# KiCad board Dumpling_Main.kicad_pcb (continued)
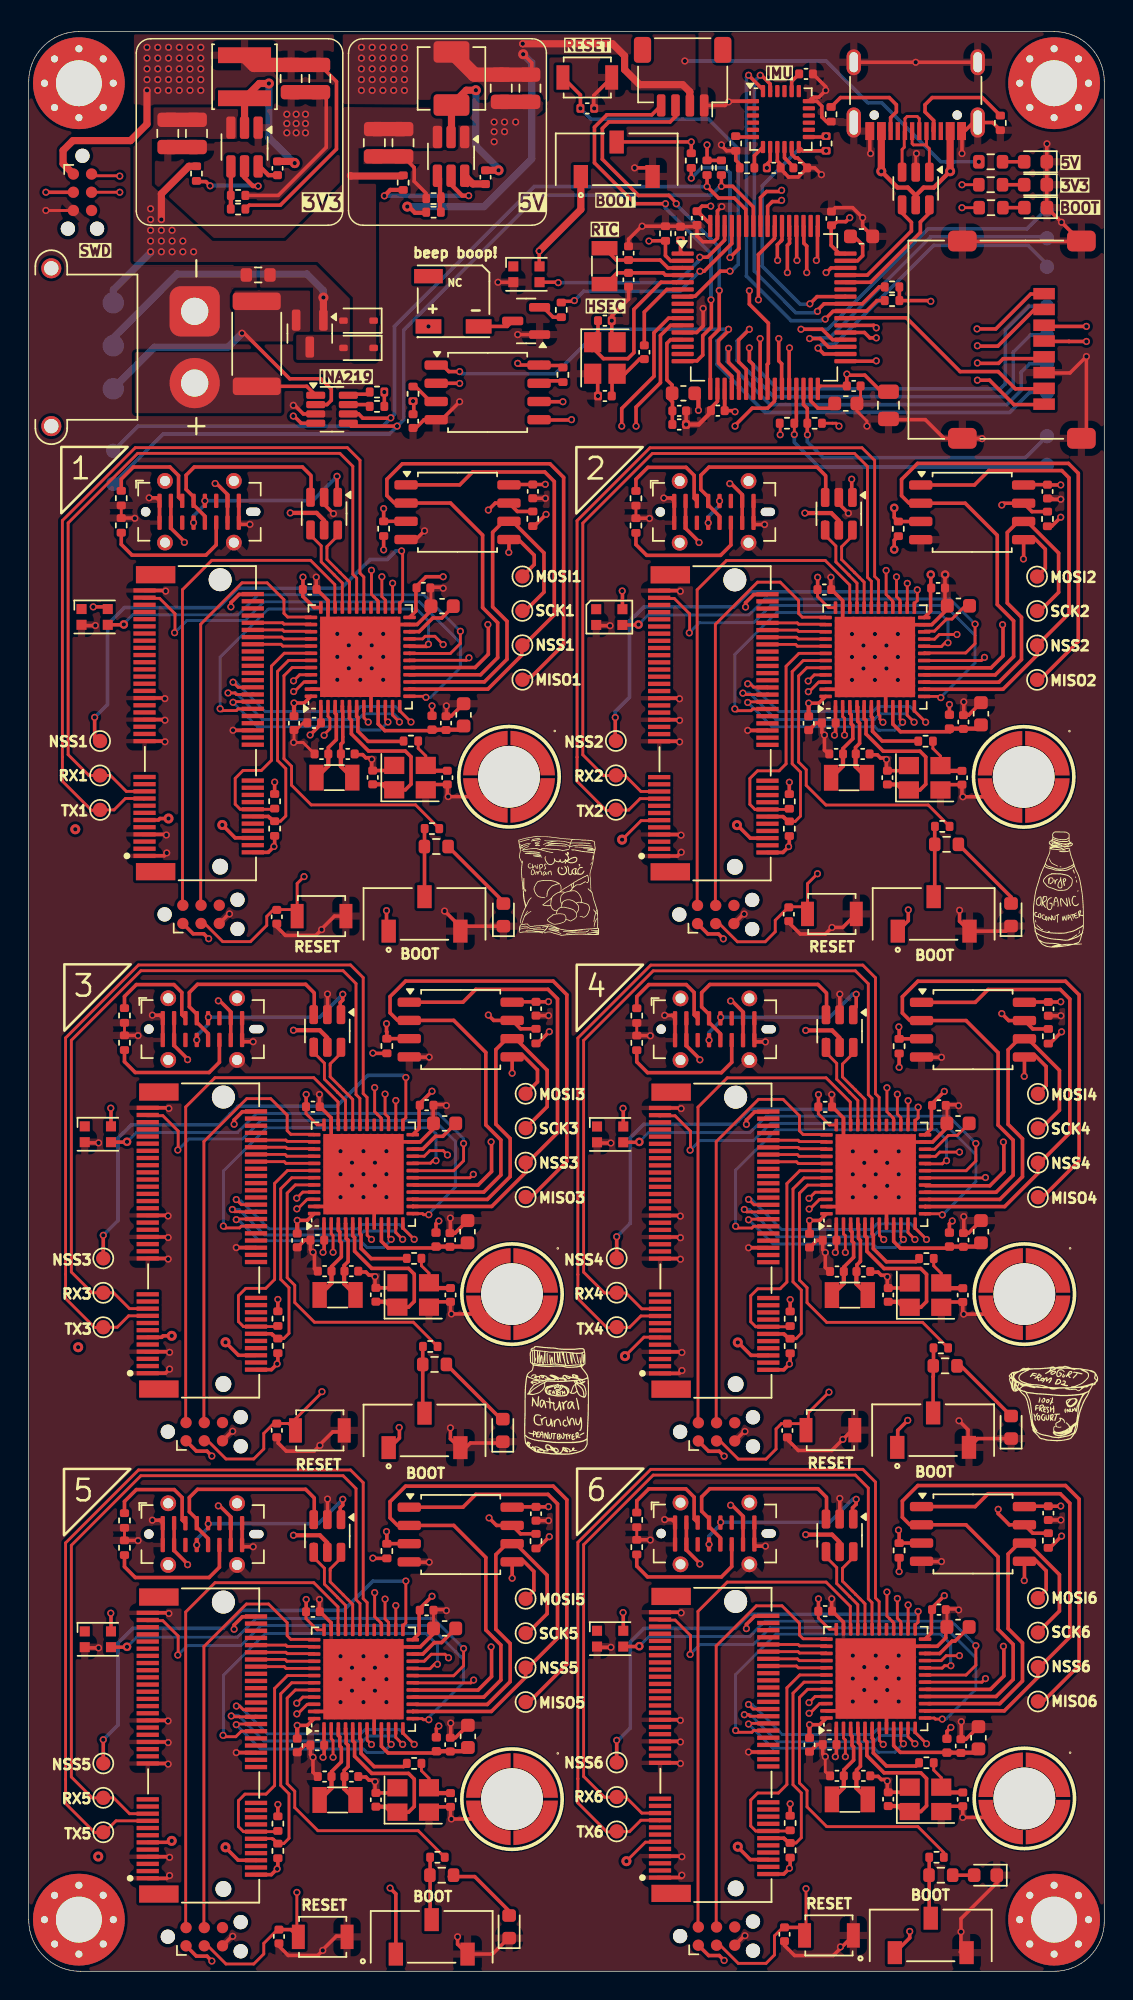
[diagram p0: board, top side]
## Routing (per net, layer and track width the routed paths; a pad name or vN(x,y) marks a point on that pad's centre or on a via; arc(x,y) is an arc through that point) (continued)
co4_SPI1_MISO: length 51.9
  Top w0.25: 62.81,66.27 65.36,66.27 67.59,64.03 67.59,58.98 68.64,57.93 68.64,55.49 67.45,54.3 U16.16 ; TP26.1 70.71,53.96 73.24,56.49 73.24,68.06 72.29,69.01 62,69.01 60.92,67.93 60.92,66.79 61.44,66.27
co4_SPI1_MOSI: length 17.7
  Top w0.25: U12.5 69.43,62.39 v1(69.42,62.38) ; v1(67.96,57.8) 67.99,57.77 67.99,55.73 67.01,54.75 62.55,54.75 ; 70.18,63.83 70.94,63.06 70.94,61.73 TP23.1
  In3.Cu w0.25: v1(69.42,62.38) 69.42,59.26 v1(67.96,57.8)
co4_SPI1_NSS: length 32.9
  Top w0.2: U16.14 62.53,53.33
  Top w0.25: U16.14 62.5,53.3 62.52,53.3 62.52,53.3 68.05,53.3 70.38,55.62 70.38,56.22 72.59,58.44 72.59,67.77 71.93,68.43 66.89,68.43 66,67.54 U12.1
co4_SPI1_SCK: length 26.1
  Top w0.25: TP27.1 70.61,58.76 71.87,60.02 71.87,62.8 69.67,65 U12.6 69.06,65 68.29,64.23 68.29,59.03 69.29,58.03 69.29,55.38 67.71,53.8 62.75,53.8
co4_SPI3_MISO: length 4.1
  Top w0.2: U16.40 53.72,56.8 53.6,56.93 J16.62
co4_SPI3_MOSI: length 4.1
  Top w0.2: U16.41 53.66,56.3 53.54,56.43 J16.60
co4_SPI3_NSS: length 4.1
  Top w0.2: J16.66 53.65,57.93 53.74,57.83 55.59,57.83 U16.38
co4_SPI3_SCK: length 4.1
  Top w0.2: J16.64 53.65,57.43 53.74,57.33 55.59,57.33 U16.39
co4_SWCLK: length 30.2
  Top w0.2: 47.94,38.19 47.94,57.83 50.89,60.77 52.6,60.77 53.74,59.63 53.74,58.58 54,58.33 55.6,58.33 U16.37
co4_SWDIO: length 35.8
  Top w0.2: U16.34 57.29,59.01 57.29,60.59 55.6,62.28 48.71,62.28 46.67,60.23 46.67,38.19
co4_USART_RX: length 54.7
  Top w0.2: J16.19 42.75,46.18 41.64,47.28 40.14,47.28 38.69,48.73 38.69,64.88 43.54,69.73 57.64,69.73 58.54,68.83 58.54,61.1 58.8,60.84 58.8,59 U16.31
co4_USART_TX: length 58.7
  Top w0.2: 40.54,44.88 41.89,44.88 42.69,45.68 J16.17 43.97,45.63 ; U16.30 59.3,59 59.3,60.91 59.04,61.17 59.04,69.25 58.16,70.13 43.38,70.13 38.29,65.05 38.29,48.57 38.29,48.56 38.29,46.88 40.32,44.86 40.52,44.86
co4_USB_D+: length 6.9
  Top w0.2: U16.33 57.81,60.7 57.25,61.26 57.25,61.26 56.34,62.17 56.34,63.28 55.59,64.03 55.59,64.98
co4_USB_D+_ESD: length 14.2
  Top w0.25: 55.58,68.23 55.03,68.78 47.49,68.78 46.92,68.21 46.92,67.22 47.44,66.7 J14.A6 47.44,66.14 48.23,65.35 J14.B6 ; 55.63,68.18 55.63,66.93
co4_USB_D-: length 6
  Top w0.2: U16.32 58.31,60.76 57.65,61.42 57.65,61.43 56.74,62.34 56.74,63.24 57.52,64.01
co4_USB_D-_ESD: length 13.4
  Top w0.25: v1(48.25,66.5) 48.25,66.44 J14.A7 ; v1(57.7,68.1) 57.7,67.24 57.44,66.98 ; 47.45,64.89 v1(47.44,64.9)
  Bottom w0.25: v1(57.7,68.1) 57.44,68.1 55.84,66.5 v1(48.25,66.5) 48.25,66.25 47.44,65.44 v1(47.44,64.9)
co4_VDDA: length 7.9
  Top w0.25: 64.38,50.41 60.78,50.41 60.31,50.87 U16.9 ; 64.13,50.45 FB5.2 ; 66.4,50.52 66.4,50.53
  Top w0.3: 66.4,50.78 66.14,50.51 FB5.2
  Top w0.5: 65.19,50.51 65.2,50.52
co5_BOOT0: length 21.9
  Top w0.2: U19.44 18.59,19.61 18.02,19.04 18.02,13.08 18.55,12.55 18.55,11.41 20.17,9.8 27.16,9.8 R63.1
co5_FLASH_HOLD: length 28.2
  Top w0.2: v1(18.69,18.69) 19.11,19.11 U19.45
  Top w0.25: v1(32.1,31.6) 32.62,31.08 U15.7 34.3,30.49 R68.2
  In4.Cu w0.25: v1(18.69,18.69) 18.69,26.07 24.22,31.6 v1(32.1,31.6)
co5_FLASH_WP: length 23
  Top w0.2: U19.2 21.09,16.21 21.22,16.08 v1(21.22,14.92)
  Top w0.25: R67.2 24.97,30.63 v1(24.95,30.65) ; U15.3 24.98,29.81
  In4.Cu w0.25: v1(21.22,14.92) 21.22,15.03 19.7,16.55 19.7,24.1 21.25,25.65 21.25,26.95 v1(24.95,30.65)
co5_gpio1: length 14.5
  Top w0.2: J19.44 14.52,17.24 v1(14.47,17.19) ; U19.10 25.09,16 v1(25.27,15.82)
  Bottom w0.2: v1(14.47,17.19) 16.17,15.5 23.35,15.5 23.6,15.25 23.66,15.25 23.67,15.26 24.72,15.26 v1(25.27,15.82)
  Bottom w0.25: 14.52,17.24 v1(14.47,17.19)
co5_gpio2: length 16.3
  Top w0.2: 15.8,17.79 J19.46 ; J19.46 15.9,17.79 ; J19.46 14.71,17.74 14.7,17.74 14.25,17.74 14.24,17.74 14.19,17.74 v1(14.12,17.8) ; v1(26.07,15.82) 25.59,16.3 U19.11
  Bottom w0.2: v1(14.12,17.8) 14.26,17.8 14.31,17.84 14.61,17.84 16.4,16.05 23.3,16.05 23.64,16.39 25.51,16.39 26.09,15.82
  Bottom w0.25: 26.09,15.82 v1(26.07,15.82)
co5_gpio3: length 16.7
  Top w0.2: U19.12 26.09,16.6 v1(26.88,15.82) ; v1(14.48,18.49) 14.71,18.49 14.96,18.24 J19.48
  Bottom w0.2: 26.89,15.82 25.86,16.84 23.44,16.84 23.15,16.55 16.65,16.55 14.71,18.49 v1(14.48,18.49)
  Bottom w0.25: 26.89,15.82 v1(26.88,15.82)
co5_gpio4: length 32.1
  Top w0.2: 8.21,24.44 8.21,24.46 ; v1(27.9,17.54) 27.51,17.54 27.44,17.61 U19.13 26.81,17.59 ; v1(10.4,22.04) 10.42,22.07 10.42,23.37 9.35,24.44 8.3,24.44 J19.73
  Bottom w0.2: v1(10.4,22.04) 11.06,22.7 14.8,22.7 16.2,24.1 27.95,24.1 29.77,22.28 29.77,22.27 30.1,21.95 30.1,21.95 30.32,21.73 30.32,20.12 27.9,17.7 v1(27.9,17.54)
co5_I2C1_SCL: length 17.6
  Top w0.2: U19.42 18.04,20.61 17.15,19.72 17.15,12.95 16.55,12.35 15.08,12.35 14.62,11.89 14.62,10.09 14.97,9.74 17.33,9.74 R70.2
co5_I2C1_SDA: length 15.7
  Top w0.2: J19.12 15.86,9.25 16.97,9.25 17,9.21 17.06,9.21 R69.2 17.78,8.9 18.15,9.27 18.15,12.37 17.57,12.95 17.57,19.34 18.34,20.11 U19.43
  Top w0.25: 17.28,8.9 R69.2
co5_NRST: length 184.5
  Top w0.2: J18.3 12.49,1.78 13.75,0.51 15.69,0.51 16.39,1.21 16.39,1.95 17.35,2.91 ; v1(18.7,5.5) 18.7,2 ; U19.7 23.6,16.91 23.6,16.11 v1(23.9,15.81)
  Top w0.25: C86.1 18.29,2.91 SW11.1 ; U1.56 51.53,123.02 51.85,123.35 52.33,123.35 52.41,123.44 v1(52.5,123.44)
  In1.Cu w0.25: v1(52.5,123.44) 52.46,123.44 50.63,121.6 45.22,121.6 30.88,107.25 26.05,107.25 25.93,107.12 25.45,107.12 25.32,107.25 10,107.25 2.55,99.8 2.55,31.25 17.99,15.81 v1(23.9,15.81)
  In3.Cu w0.2: v1(23.9,15.81) 18.7,10.61 v1(18.7,5.5)
co5_OSC_IN: length 11.7
  Top w0.25: HSE6.1 26.49,11.09 26.89,11.49 26.89,13.39 26.49,13.79 23.92,13.79 22.72,14.99 22.72,15.94 22.59,16.07 U19.5
  Top w0.3: C80.1 25.33,11.47 ; 24.9,11.47 25.29,11.09
co5_OSC_OUT: length 5.4
  Top w0.25: U19.6 23.09,16.21 23.18,16.13 23.18,15.18 24.09,14.27 26.14,14.27 R62.1
co5_pwr_cyc: length 26.4
  Top w0.2: U19.20 26.8,21.09 27.98,21.09 28.29,21.4 v1(28.5,21.4) ; J19.42 14.83,16.74 14.44,16.35 13.67,16.35
  Top w0.25: 13.67,16.35 13.55,16.47 v1(13.55,16.45)
  Bottom w0.2: v1(13.55,16.45) 13.57,16.47 13.57,20.62 16.5,23.55 27.7,23.55 28.5,22.75 v1(28.5,21.4)
co5_RGB_LED: length 31.5
  Top w0.2: v1(30.32,22.5) 30.32,21.29 29.63,20.6 26.85,20.6
  Top w0.25: v3(6.86,22.62) 6.83,22.59 5.54,22.59
  Bottom w0.2: v1(30.32,22.5) 28.22,24.6 15.86,24.6 14.55,23.29 7.53,23.29 v3(6.86,22.62)
co5_RTC_IN: length 5.7
  Top w0.25: U19.3 21.59,16.43 21.69,16.34 21.69,15.7 21.8,15.59 21.8,14.6 21.12,13.92 C81.1
  Top w0.3: 21.12,13.54 21.12,12.77 Y6.1
co5_RTC_OUT: length 5.5
  Top w0.25: 21.99,13.57 22,13.58 22,14 22.27,14.27 22.27,15.75 22.14,15.89 22.14,16.52 22.1,16.57 22.1,16.92 U19.4
  Top w0.3: 21.99,13.54 21.99,12.73 Y6.2
co5_SPI1_MISO: length 51.8
  Top w0.25: TP41.1 34.89,18.77 37.52,21.4 37.52,32.87 36.57,33.82 26.28,33.82 25.2,32.74 25.2,31.6 25.72,31.08 ; 27.09,31.08 29.64,31.08 31.87,28.84 31.87,23.79 32.92,22.74 32.92,20.3 31.73,19.11 U19.16
co5_SPI1_MOSI: length 17.6
  Top w0.25: 26.87,19.6 31.33,19.6 32.27,20.54 32.27,22.58 v1(32.24,22.61) ; 34.46,28.64 35.22,27.87 35.22,26.54 TP40.1 ; v1(33.71,27.4) U15.5
  In4.Cu w0.25: v1(33.71,27.4) 33.71,24.08 v1(32.24,22.61)
co5_SPI1_NSS: length 32.6
  Top w0.2: U19.14 26.81,18.14
  Top w0.25: TP43.1 34.65,20.5 32.26,18.11 26.8,18.11 26.78,18.11 U19.14 ; U15.1 30.28,32.35 31.17,33.24 36.21,33.24 36.87,32.58 36.87,23.21 34.94,21.28
co5_SPI1_SCK: length 26.2
  Top w0.25: 34.57,23.34 36.15,24.93 36.15,27.61 33.95,29.81 U15.6 33.34,29.81 32.57,29.04 32.57,23.84 33.57,22.84 33.57,20.19 31.98,18.6 27.02,18.6
co5_SPI3_MISO: length 4.1
  Top w0.2: U19.40 18,21.61 17.88,21.74 J19.62
co5_SPI3_MOSI: length 4.1
  Top w0.2: J19.60 17.82,21.24 17.94,21.11 U19.41
co5_SPI3_NSS: length 4.1
  Top w0.2: U19.38 19.87,22.64 18.02,22.64 17.93,22.74 J19.66
co5_SPI3_SCK: length 4.1
  Top w0.2: U19.39 19.87,22.14 18.02,22.14 17.93,22.24 J19.64
co5_SWCLK: length 30.1
  Top w0.2: U19.37 19.88,23.14 18.28,23.14 18.02,23.39 18.02,24.3 16.72,25.6 15.18,25.6 12.22,22.64 12.22,3
co5_SWDIO: length 35.8
  Top w0.2: 10.95,3 10.95,25.04 12.99,27.09 19.88,27.09 21.57,25.4 21.57,23.82 U19.34
co5_USART_RX: length 54.7
  Top w0.2: J19.19 7.03,10.99 5.92,12.09 4.42,12.09 2.97,13.54 2.97,29.69 7.82,34.54 21.92,34.54 22.82,33.64 22.82,25.91 23.1,25.64 23.1,23.81 U19.31
co5_USART_TX: length 58.7
  Top w0.2: 4.8,9.67 4.6,9.67 2.57,11.69 2.57,13.38 2.57,13.38 2.57,29.86 7.66,34.94 22.44,34.94 23.32,34.06 23.32,25.98 23.6,25.7 23.6,23.81 U19.30 ; 4.82,9.69 5.29,9.69 6.09,10.49 J19.17 8.25,10.44
co5_USB_D+: length 6.9
  Top w0.2: 19.87,29.79 19.87,28.84 20.62,28.09 20.62,26.98 21.53,26.07 21.53,26.07 22.09,25.51 U19.33
co5_USB_D+_ESD: length 14.2
  Top w0.25: J17.B6 12.51,30.16 11.72,30.95 J17.A6 11.72,31.51 11.2,32.03 11.2,33.02 11.77,33.59 19.31,33.59 19.86,33.04 ; 19.91,32.99 19.91,31.74
co5_USB_D-: length 6
  Top w0.2: U19.32 22.59,25.58 21.93,26.24 21.93,26.24 21.02,27.15 21.02,28.05 21.8,28.82
co5_USB_D-_ESD: length 13.1
  Top w0.25: J17.A7 12.51,31.2 v1(12.52,31.19) ; v1(21.9,32.9) 21.9,32.5 21.72,32.32 21.72,31.79 ; 11.73,29.7 v1(11.72,29.71)
  Bottom w0.25: v1(11.72,29.71) 11.72,30.12 12.52,30.92 v1(12.52,31.19) 12.53,31.2 20.2,31.2 v1(21.9,32.9)
co5_VDDA: length 7.9
  Top w0.25: U19.9 24.59,15.68 25.06,15.22 28.66,15.22 ; 30.62,15.34 30.62,15.35 ; 28.36,15.28 FB6.2
  Top w0.3: FB6.2 30.36,15.34 C89.1
  Top w0.5: 29.42,15.34 29.42,15.34
co6_BOOT0: length 21.1
  Top w0.2: U22.44 54.31,19.65 53.74,19.09 53.74,13.12 54.27,12.6 54.27,11.46 55.64,10.09 62,10.09 63.81,8.28 R72.1
co6_FLASH_HOLD: length 41.2
  Top w0.2: v1(54.41,18.73) 54.41,18.73 54.83,19.15 U22.45
  Top w0.25: v1(67.6,32.2) 67.6,31.9 68.38,31.12 U18.7 70.02,30.54 R77.2
  In4.Cu w0.25: v1(67.6,32.2) 67.8,32 67.8,25.35 68.54,24.61 68.54,18.09 64.35,13.9 55.37,13.9 53.5,15.77 53.5,17.88 54.35,18.73 v1(54.41,18.73)
co6_FLASH_WP: length 31.5
  Top w0.2: U22.2 56.81,16.25 56.94,16.12 v1(56.94,14.96)
  Top w0.25: R76.2 60.69,30.71 v1(60.65,30.75) ; U18.3 60.7,29.85
  In4.Cu w0.25: v1(60.65,30.75) 60.65,30.55 67.29,23.91 67.29,18.22 64.03,14.96 v1(56.94,14.96)
co6_gpio1: length 14.5
  Top w0.2: U22.10 60.81,16.04 v1(60.99,15.86) ; J22.44 50.24,17.28
  Top w0.25: 50.24,17.28 v1(50.19,17.24)
  Bottom w0.2: v1(60.99,15.86) 60.4,15.27 59.23,15.27 58.95,15.55 51.88,15.55 v1(50.19,17.24)
  Bottom w0.25: 50.24,17.29 v1(50.19,17.24)
co6_gpio2: length 16.3
  Top w0.2: 51.52,17.83 J22.46 ; J22.46 50.3,17.78 50.19,17.89 v1(49.9,17.89) ; J22.46 51.62,17.83 ; U22.11 61.31,16.34 v1(61.79,15.86)
  Bottom w0.2: v1(49.9,17.89) 50.32,17.89 52.21,16 58.95,16 59.39,16.44 61.23,16.44 61.81,15.86
  Bottom w0.25: 61.81,15.86 v1(61.79,15.86)
co6_gpio3: length 16.8
  Top w0.2: v1(50.19,18.6) 50.51,18.28 J22.48 ; U22.12 61.81,16.65 v1(62.6,15.86)
  Bottom w0.2: v1(50.19,18.6) 50.45,18.6 52.55,16.5 58.8,16.5 59.19,16.89 61.58,16.89 62.61,15.86
  Bottom w0.25: 62.61,15.86 v1(62.6,15.86)
co6_gpio4: length 32.2
  Top w0.2: v1(63.7,17.58) 63.22,17.58 63.15,17.65 U22.13 62.53,17.63 ; 43.93,24.48 43.93,24.5 ; v1(46.12,22.09) 46.14,22.11 46.14,23.41 45.07,24.48 44.02,24.48 J22.73
  Bottom w0.2: v1(46.12,22.09) 46.8,22.77 50.52,22.77 51.7,23.95 63.95,23.95 66.04,21.86 66.04,19.66 63.96,17.58 v1(63.7,17.58)
co6_I2C1_SCL: length 17.6
  Top w0.2: R79.2 53.05,9.78 50.69,9.78 50.34,10.13 50.34,11.94 50.83,12.42 52.28,12.42 52.87,13.02 52.87,19.76 53.76,20.65 U22.42
co6_I2C1_SDA: length 15.6
  Top w0.2: R78.2 53.5,8.95 53.87,9.31 53.87,12.43 53.29,13.01 53.29,19.39 54.06,20.15 U22.43
  Top w0.25: J22.12 52.66,9.28 52.75,9.19 52.76,9.19 53,8.95 R78.2
co6_NRST: length 152.4
  Top w0.2: U22.7 59.32,16.96 59.32,16.08 v1(59.58,15.82) ; 52.73,3.21 52,2.47 52,1.14 51.41,0.55 49.47,0.55 48.21,1.82 J21.3 ; v1(54.2,5.76) 54.2,3.15
  Top w0.25: v1(52.5,124.14) 52.41,124.05 51.45,124.05 51.03,123.63 U1.57 ; 52.8,3.06 53.92,3.06
  In1.Cu w0.25: v1(52.5,124.14) 53.76,124.14 64.1,113.8 64.1,102.7 69.2,97.6 69.2,89.15 73.55,84.8 73.55,35.48 66.62,28.55 66.62,21.65 62.07,17.1 60.83,17.1 59.62,15.89 59.62,15.85
  In3.Cu w0.2: v1(54.2,5.76) 54.2,10.44 v1(59.58,15.82) 59.62,15.85
co6_OSC_IN: length 11.7
  Top w0.25: HSE7.1 62.21,11.14 62.61,11.53 62.61,13.44 62.21,13.84 59.64,13.84 58.44,15.03 58.44,15.98 58.31,16.12 U22.5
  Top w0.3: C93.1 61.05,11.52 ; 60.62,11.52 61.01,11.14
co6_OSC_OUT: length 5.4
  Top w0.25: R71.1 61.86,14.31 59.81,14.31 58.9,15.22 58.9,16.17 58.81,16.25 U22.6
co6_pwr_cyc: length 26.2
  Top w0.2: v1(64.3,21.3) 63.86,21.3 63.7,21.14 62.52,21.14 U22.20 ; v1(49.29,16.79) 49.42,16.66 50.43,16.66 50.55,16.78 J22.42
  Bottom w0.2: v1(49.29,16.79) 49.29,20.69 52.1,23.5 63.6,23.5 64.29,22.81 64.29,21.29
  Bottom w0.25: v1(64.3,21.3) 64.29,21.29
co6_RGB_LED: length 31.3
  Top w0.2: 62.57,20.65 65.36,20.65 66.04,21.34 v1(66.04,22.7)
  Top w0.25: v3(42.58,22.66) 42.55,22.64 41.26,22.64
  Bottom w0.2: v3(42.58,22.66) 43.25,23.33 50.27,23.33 51.34,24.4 64.34,24.4 v1(66.04,22.7)
co6_RTC_IN: length 5.7
  Top w0.25: U22.3 57.31,16.48 57.41,16.38 57.41,15.74 57.52,15.63 57.52,14.72 56.84,14.04 C94.1
  Top w0.3: Y7.1 56.84,12.82 56.84,13.59
co6_RTC_OUT: length 5.5
  Top w0.25: C95.1 57.72,14.02 57.99,14.29 57.99,15.8 57.86,15.93 57.86,16.57 57.82,16.6 57.82,16.95 U22.4
  Top w0.3: Y7.2 57.71,12.78 57.71,13.59
co6_SPI1_MISO: length 51.9
  Top w0.25: 61.44,31.12 60.92,31.65 60.92,32.78 62,33.86 72.29,33.86 73.24,32.91 73.24,21.32 70.74,18.81 TP48.1 ; 62.81,31.12 65.36,31.12 67.59,28.89 67.59,23.84 68.64,22.79 68.64,20.35 67.45,19.15 U22.16
co6_SPI1_MOSI: length 17.6
  Top w0.25: v1(69.42,27.24) 69.43,27.25 U18.5 ; v1(67.96,22.65) 67.99,22.62 67.99,20.59 67.06,19.65 62.59,19.65 ; TP47.1 70.94,26.59 70.94,27.92 70.18,28.68
  In3.Cu w0.25: v1(69.42,27.24) 69.42,24.11 v1(67.96,22.65)
co6_SPI1_NSS: length 32.9
  Top w0.2: U22.14 62.53,18.18
  Top w0.25: U22.14 62.5,18.15 62.52,18.15 68.03,18.15 70.37,20.49 70.37,21.07 72.59,23.29 72.59,32.62 71.93,33.29 66.89,33.29 66,32.39 U18.1
co6_SPI1_SCK: length 26.2
  Top w0.25: 62.75,18.65 67.71,18.65 69.29,20.24 69.29,22.89 68.29,23.89 68.29,29.09 69.06,29.85 U18.6 69.67,29.85 71.87,27.65 71.87,25.11 70.14,23.39
co6_SPI3_MISO: length 4.1
  Top w0.2: J22.62 53.6,21.78 53.72,21.65 U22.40
co6_SPI3_MOSI: length 4.1
  Top w0.2: U22.41 53.66,21.15 53.54,21.28 J22.60
co6_SPI3_NSS: length 4.1
  Top w0.2: J22.66 53.65,22.78 53.74,22.69 55.59,22.69 U22.38
co6_SPI3_SCK: length 4.1
  Top w0.2: J22.64 53.65,22.28 53.74,22.19 55.59,22.19 U22.39
co6_SWCLK: length 29.9
  Top w0.2: U22.37 55.6,23.18 54,23.18 53.74,23.44 53.74,24.26 52.53,25.47 50.73,25.47 47.94,22.68 47.94,3.04
co6_SWDIO: length 35.8
  Top w0.2: 57.29,23.87 57.29,25.44 55.6,27.13 48.71,27.13 46.67,25.09 46.67,3.04
co6_USART_RX: length 54.7
  Top w0.2: U22.31 58.8,23.85 58.8,25.7 58.54,25.95 58.54,33.69 57.64,34.59 43.54,34.59 38.69,29.74 38.69,13.59 40.14,12.14 41.64,12.14 42.75,11.03 J22.19
co6_USART_TX: length 58.7
  Top w0.2: 43.97,10.48 J22.17 42.69,10.53 41.89,9.74 40.54,9.74 ; U22.30 59.3,23.85 59.3,25.76 59.04,26.02 59.04,34.1 58.16,34.99 43.38,34.99 38.29,29.9 38.29,13.42 38.29,13.42 38.29,11.74 40.32,9.71 40.52,9.71
co6_USB_D+: length 6.9
  Top w0.2: 55.59,29.84 55.59,28.88 56.34,28.14 56.34,27.03 57.25,26.11 57.25,26.11 57.81,25.55 U22.33
co6_USB_D+_ESD: length 14.2
  Top w0.25: 55.58,33.09 55.03,33.64 47.49,33.64 46.92,33.07 46.92,32.07 47.44,31.55 J20.A6 47.44,31 48.23,30.21 J20.B6 ; 55.63,33.04 55.63,31.78
co6_USB_D-: length 6
  Top w0.2: U22.32 58.31,25.62 57.65,26.28 57.65,26.28 56.74,27.19 56.74,28.09 57.52,28.86
co6_USB_D-_ESD: length 13.2
  Top w0.25: v1(48.25,31.3) 48.25,31.3 J20.A7 ; 57.44,31.83 57.44,32.3 57.7,32.56 v1(57.7,32.9) ; 47.45,29.75 v1(47.44,29.76)
  Bottom w0.25: v1(57.7,32.9) 57.44,32.9 55.84,31.3 v1(48.25,31.3) 48.25,31.15 47.44,30.34 v1(47.44,29.76)
co6_VDDA: length 7.9
  Top w0.25: 64.38,15.26 60.78,15.26 60.31,15.73 U22.9 ; 63.96,15.17 FB7.2 ; 66.22,15.25 66.22,15.25
  Top w0.3: C102.1 65.97,15.24 FB7.2
  Top w0.5: 65.02,15.24 65.03,15.25
FLASH_HOLD: length 1.7
  Top w0.25: 37.25,110.85 35.76,110.85 35.59,110.68
FLASH_WP: length 2
  Top w0.25: R33.2 26.97,110.46 28.01,109.41 U24.3
I2C1_SCL: length 62.9
  Top w0.25: 48.26,124.41 49.09,124.41 50.53,122.97 U1.58 ; v1(25.69,107.7) 22.49,107.7 U9.5 ; R23.2 48.3,124.45
  Bottom w0.25: v1(48.3,124.41) 48.21,124.41 47.6,123.8 35.55,123.8 26.15,114.4 26.15,108.15 25.15,107.15 9.38,107.15 6.03,103.8
I2C1_SDA: length 60.9
  Top w0.25: 25.22,108.25 23.3,108.25 23,108.55 U9.6 ; U1.59 50,121.65 50,122.8 49.2,123.6 48.1,123.6 v1(47.3,124.4) R22.2
  Bottom w0.25: v1(47.3,124.4) 35.25,124.4 25.5,114.65 25.5,108.52 v1(25.25,108.27) 25.25,108.25 24.7,107.7 7.62,107.7 6.03,106.1
I2C2_SCL: length 253.4
  Top w0.2: v1(29.2,56.9) 28.9,57.2 27.97,57.2 27.58,56.81 U13.21 ; R25.2 v1(53.38,107.11) 53.4,107.1 ; U4.21 27.46,92.87 27.65,93.05 28.32,93.05 v1(28.9,92.47) ; 64.68,93.17 63.49,93.17 63.16,92.85 62.45,92.85 U5.21 ; v1(29.27,21.85) 29.02,22.1 28.07,22.1 27.58,21.61 U19.21 ; U22.21 63.63,21.65 63.98,22 v1(64.9,22) ; v1(64.9,57.1) 63.53,57.1 63.23,56.8 U16.21
  Top w0.25: v1(64.72,93.17) 64.68,93.17 ; v1(64.9,22) 64.77,22 ; v1(28.9,92.47) 28.88,92.47 ; 53.55,110.27 53.55,110.28 53.5,110.28 U1.29 53.53,108.04
  In1.Cu w0.25: v1(29.27,21.85) 29.91,21.22 49.97,21.22 52.2,23.45 63.45,23.45 v1(64.9,22) ; v1(64.72,93.17) 64.72,93.15 63.07,94.8 52.3,94.8 49.97,92.47 v1(28.9,92.47) ; v1(29.2,56.9) 29.7,56.9 30.18,56.42 51.27,56.42 53.55,58.7 63.3,58.7 v1(64.9,57.1)
  In3.Cu w0.2: v1(53.38,107.11) 52.07,105.8 50.1,105.8 36.78,92.47 v1(28.9,92.47) 30.05,91.32 30.05,58.42 29.12,57.49 29.12,56.98 v1(29.2,56.9) 29.2,56.34 30.27,55.27 30.27,24.77 29.1,23.6 29.1,22.02 v1(29.27,21.85)
  Bottom w0.25: TP4.1 70.85,104.85 55.1,104.85 53.38,106.56 v1(53.38,107.11)
I2C2_SDA: length 236.1
  Top w0.2: U5.46 55.08,89.86 54.42,89.19 v1(54.36,89.19) ; v1(18.7,53.14) 18.75,53.14 19.42,53.81 U13.46 ; U4.46 19.2,89.87 18.53,89.2 v1(18.47,89.2) ; U22.46 55.14,18.65 54.47,17.99 v1(54.42,17.99) ; v1(18.7,17.94) 18.75,17.94 19.42,18.61 U19.46 ; U16.46 55.14,53.8 54.47,53.13 v1(54.42,53.13)
  Top w0.25: 54.29,107.11 R24.2 54.29,108.93 54.03,109.2 U1.30 54.05,110.28
  In1.Cu w0.2: v1(54.42,53.13) 54.37,53.13 52.91,54.6 28.75,54.6 26.6,52.45 19.39,52.45 19.27,52.57 19.27,52.57 18.95,52.89 18.95,52.89 v1(18.7,53.14) ; v1(54.36,89.19) 54.32,89.19 52.91,90.6 28.3,90.6 26,88.3 19.38,88.3 19.05,88.62 19.05,88.63 18.73,88.95 18.72,88.95 v1(18.47,89.2) ; v1(18.7,17.94) 18.95,17.69 18.95,17.69 19.27,17.37 19.27,17.37 19.39,17.25 26.05,17.25 28.43,19.63 30.72,19.63 30.76,19.59 31.22,19.59 31.26,19.63 52.71,19.63 54.35,17.99 v1(54.42,17.99)
  In3.Cu w0.2: v1(54.36,89.19) 53.59,88.42 53.59,53.92 54.37,53.13 v1(54.42,53.13) 52.45,51.16 52.45,19.91 54.37,17.99 v1(54.42,17.99)
  In3.Cu w0.25: v1(54.3,107.1) 53.1,105.9 53.1,90.37 54.28,89.19 v1(54.36,89.19)
  Bottom w0.25: TP3.1 69.5,105.5 55.4,105.5 54.3,106.6 v1(54.3,107.1)
I2C3_SCL: length 26.4
  Top w0.25: 51.72,131.05 51.7,131.03 51.7,131 ; v1(51.01,132.15) 51.1,132.15 51.7,131.55 U7.23 ; U1.41 55.46,116.22 55,115.77 v1(55,115.7) ; U1.41 58.12,116.22 59.3,117.4 R81.2 ; U1.41 56.93,116.2
  Bottom w0.25: v1(55,115.7) 54.85,115.7 54.75,115.6 53.5,115.6 50.6,118.5 50.6,131.74 v1(51.01,132.15)
I2C3_SDA: length 27.1
  Top w0.25: R80.2 59.15,116.45 58.43,115.72 U1.40 56.93,115.7 56.08,115.7 v1(55.54,115.16) ; v1(50.2,132.15) 51.2,131.15 U7.24
  Bottom w0.25: 50.2,132.15 v1(50.2,132.15) 50.05,132.01 50.05,118.15 53.15,115.05 55.23,115.05 55.34,115.16 v1(55.54,115.16)
IMU_INT: length 20.2
  Top w0.25: U7.12 53.96,126.89 v1(55.6,126.89) ; 56.93,116.75 U1.42 54.97,116.72 v1(54.47,116.22)
  Bottom w0.25: 54.45,116.2 53.8,116.2 51.15,118.85 51.15,124.45 53.59,126.89 v1(55.6,126.89)
NRST: length 69.4
  Top w0.25: U1.7 46.12,116.72 46.15,116.75 46.47,116.75 48.22,118.5 48.85,118.5 48.9,118.45 v1(48.9,118.5) ; v1(38.47,129.84) 38.47,130.78 SW2.1 ; v1(1.2,124) J1.3
  In3.Cu w0.25: v1(38.47,129.84) 36.19,129.84 33.29,126.94 5.39,126.94 2.44,124 v1(1.2,124)
  Bottom w0.25: v1(48.9,118.5) 49,118.5 49.48,118.98 49.48,127.02 47.4,129.1 39.2,129.1 38.47,129.83 v1(38.47,129.84)
OSC_IN: length 12.6
  Top w0.2: 39.29,112.94 39.29,113.14 39.66,113.51
  Top w0.25: C11.1 39.69,113.92 ; 39.32,113.35 39.32,113.15 40.07,112.4 41.78,112.4 42.2,112.82 42.2,115.84 44.09,117.72 U1.5
OSC_OUT: length 5.6
  Top w0.25: U1.6 44.5,117.22 42.93,115.65 R1.1
RGB_LED: length 15.9
  Top w0.25: v1(46.8,119.47) 47.33,119.47 48.53,120.67 U1.62 48.55,121.63 48.55,121.05 ; v1(36.93,117.7) 36.89,117.73 D7.3
  Bottom w0.25: v1(46.8,119.47) 46.8,119.31 46.65,119.16 46.65,119.15 45.2,117.7 v1(36.93,117.7) ; v1(46.8,119.47) 46.77,119.5 ; v1(46.8,119.47) 46.75,119.52
RTC_IN: length 6.1
  Top w0.25: 45.58,118.75 U1.3 44.57,118.72 44.03,119.27 C3.1 40.97,119.27 Y2.1
RTC_OUT: length 5.9
  Top w0.2: Y2.2 40.25,117.6
  Top w0.25: 45.58,118.2 U1.4 44.4,118.22 44.25,118.38 C4.1 41.03,118.38 40.25,117.6
SDIO_CLK: length 24.5
  Top w0.25: U1.53 53.05,121.63 53.05,120.75 53.05,120.75 53.05,120.45 52.9,120.3 v1(52.9,118.4) ; 71.1,112.4 67.95,112.4 67.62,112.07 66.18,112.07 v1(66.15,112.1)
  In4.Cu w0.25: v1(52.9,118.4) 52.9,118.1 54.2,116.8 54.9,116.8 56.55,115.15 60.35,115.15 63.4,112.1 v1(66.15,112.1)
SDIO_CMD: length 29.2
  Top w0.25: v1(52.22,119.25) 52.2,119.27 52.2,120.34 52.45,120.6 52.45,120.6 52.53,120.67 U1.54 ; 71.1,114.7 71.16,114.65 v1(73.75,114.65)
  In4.Cu w0.25: v1(52.22,119.25) 52.22,119.27 52.8,119.85 58.4,119.85 62.75,115.5 72.9,115.5 v1(73.75,114.65)